# Altium PCB WX0.000.863拼板.PcbDoc (part 6 of 15)
Units mm, origin at the board's own origin, x right, y up, seen from the top; angles counter-clockwise.
Board outline 150.37 x 286.89 mm, 2 copper layers (Top Layer, Bottom Layer); 840 components, 0 nets, 2516 pads, 1604 vias.
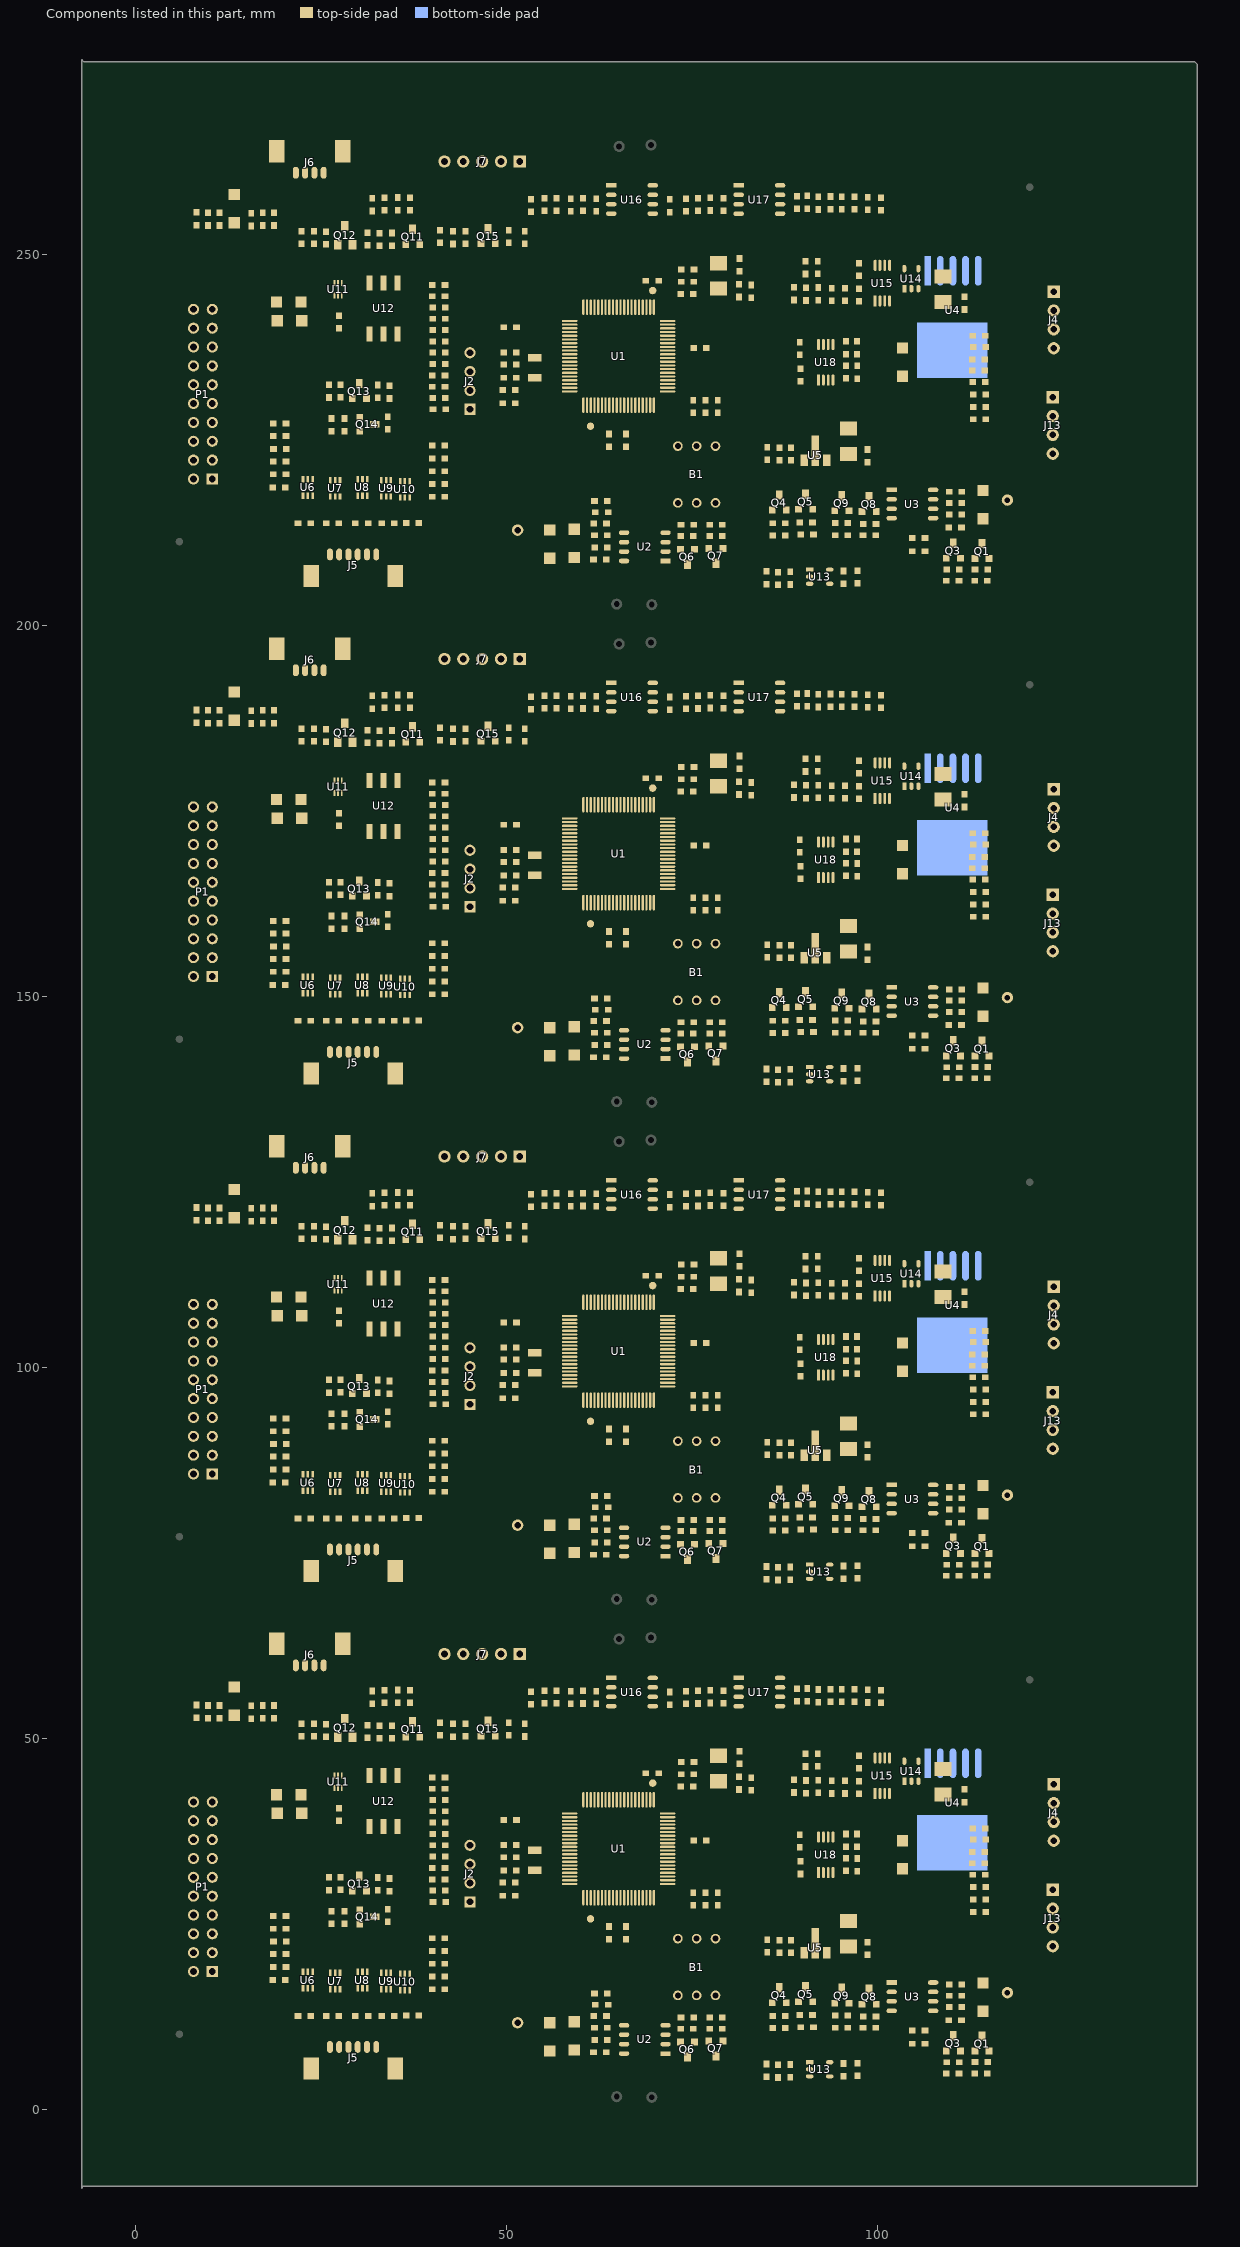
[diagram p6: the components of this part, seen from the top]

## Via types
v1: diameter 0.635, hole 0.381, Top Layer to Bottom Layer, tented both sides, 1604 vias

## Nets (pads, with @x,y where several pads share a name; then routed paths per layer and width w, separated by ;. In a path a pad name is that pad's centre, name@x,y a point inside that pad or via, vN(x,y) a via of type N, cw(c..) or ccw(c..) an arc to the next point about the centre after c; other vN are vias at no path point) (continued)
copper on no net: (continued)
  Top Layer w0.203: v1@62.916,237.973 64.287,236.601 65.176,236.601 65.852,237.277 67.208,237.277 67.696,236.789 67.696,234.799 68.974,233.521 71.725,233.521 ; v1@62.928,48.184 cw(c63.94,48.184) 63.225,48.899 ; v1@62.928,115.24 cw(c63.94,115.24) 63.225,115.955 ; v1@62.928,182.296 cw(c63.94,182.296) 63.225,183.011 ; v1@62.928,249.352 cw(c63.94,249.352) 63.225,250.067 ; 62.986,8.134 ccw(c63.398,8.545) 63.398,7.963 ; 62.986,75.19 ccw(c63.398,75.601) 63.398,75.019 ; 62.986,142.246 ccw(c63.398,142.657) 63.398,142.075 ; 62.986,209.302 ccw(c63.398,209.713) 63.398,209.131 ; 63.369,10.766 cw(c62.871,10.268) 63.576,10.268 cw(c64.281,10.268) 63.782,10.766 ; 63.369,77.822 cw(c62.871,77.324) 63.576,77.324 cw(c64.281,77.324) 63.782,77.822 ; 63.369,144.878 cw(c62.871,144.38) 63.576,144.38 cw(c64.281,144.38) 63.782,144.878 ; 63.369,211.934 cw(c62.871,211.436) 63.576,211.436 cw(c64.281,211.436) 63.782,211.934 ; 63.382,9.528 ccw(c62.913,9.997) 63.576,9.997 ; 63.382,76.584 ccw(c62.913,77.053) 63.576,77.053 ; 63.382,143.64 ccw(c62.913,144.109) 63.576,144.109 ; 63.382,210.696 ccw(c62.913,211.165) 63.576,211.165 ; v1@63.449,43.777 cw(c63.449,43.44) 63.688,43.678 ; v1@63.449,43.917 63.875,43.491 63.875,41.703 ; v1@63.449,110.833 cw(c63.449,110.496) 63.688,110.734 ; v1@63.449,110.973 63.875,110.547 63.875,108.759 ; v1@63.449,177.889 cw(c63.449,177.552) 63.688,177.79 ; v1@63.449,178.029 63.875,177.603 63.875,175.815 ; v1@63.449,244.945 cw(c63.449,244.608) 63.688,244.846 ; v1@63.449,245.085 63.875,244.659 63.875,242.871 ; 63.562,7.734 ccw(c64.143,8.315) 64.143,7.493 ; 63.562,74.79 ccw(c64.143,75.371) 64.143,74.549 ; 63.562,141.846 ccw(c64.143,142.427) 64.143,141.605 ; 63.562,208.902 ccw(c64.143,209.483) 64.143,208.661 ; 63.576,10.057 ccw(c64.324,10.057) 63.795,9.528 ; 63.576,10.973 63.576,9.322 63.754,9.322 64.313,8.763 65.862,8.763 ; 63.576,77.113 ccw(c64.324,77.113) 63.795,76.584 ; 63.576,78.029 63.576,76.378 63.754,76.378 64.313,75.819 65.862,75.819 ; 63.576,144.169 ccw(c64.324,144.169) 63.795,143.64 ; 63.576,145.085 63.576,143.434 63.754,143.434 64.313,142.875 65.862,142.875 ; 63.576,211.225 ccw(c64.324,211.225) 63.795,210.696 ; 63.576,212.141 63.576,210.49 63.754,210.49 64.313,209.931 65.862,209.931 ; 63.596,56.702 ccw(c63.249,56.355) 63.249,56.845 ccw(c63.249,57.336) 63.596,56.989 ; 63.596,123.758 ccw(c63.249,123.411) 63.249,123.901 ccw(c63.249,124.392) 63.596,124.045 ; 63.596,190.814 ccw(c63.249,190.467) 63.249,190.957 ccw(c63.249,191.448) 63.596,191.101 ; 63.596,257.87 ccw(c63.249,257.523) 63.249,258.013 ccw(c63.249,258.504) 63.596,258.157 ; v1(63.627,48.133) 63.8,47.96 75.921,47.96 76.505,47.376 76.505,41.961 ; v1(63.627,115.189) 63.8,115.016 75.921,115.016 76.505,114.432 76.505,109.017 ; v1(63.627,182.245) 63.8,182.072 75.921,182.072 76.505,181.488 76.505,176.073 ; v1(63.627,249.301) 63.8,249.128 75.921,249.128 76.505,248.544 76.505,243.129 ; 63.639,9.03 cw(c63.639,8.047) 64.334,8.742 ; 63.639,9.233 cw(c63.639,8.741) 63.987,9.089 ; 63.639,76.086 cw(c63.639,75.103) 64.334,75.798 ; 63.639,76.289 cw(c63.639,75.797) 63.987,76.145 ; 63.639,143.142 cw(c63.639,142.159) 64.334,142.854 ; 63.639,143.345 cw(c63.639,142.853) 63.987,143.201 ; 63.639,210.198 cw(c63.639,209.215) 64.334,209.91 ; 63.639,210.401 cw(c63.639,209.909) 63.987,210.257 ; v1@63.665,43.981 ccw(c64.255,43.947) 63.837,43.529 ; v1@63.665,111.037 ccw(c64.255,111.003) 63.837,110.585 ; v1@63.665,178.093 ccw(c64.255,178.059) 63.837,177.641 ; v1@63.665,245.149 ccw(c64.255,245.115) 63.837,244.697 ; 63.706,7.877 ccw(c64.634,8.805) 64.634,7.493 ; 63.706,74.933 ccw(c64.634,75.861) 64.634,74.549 ; 63.706,141.989 ccw(c64.634,142.917) 64.634,141.605 ; 63.706,209.045 ccw(c64.634,209.973) 64.634,208.661 ; 63.931,9.322 ccw(c64.359,9.322) 64.056,9.019 ; 63.931,76.378 ccw(c64.359,76.378) 64.056,76.075 ; 63.931,143.434 ccw(c64.359,143.434) 64.056,143.131 ; 63.931,210.49 ccw(c64.359,210.49) 64.056,210.187 ; 64.135,55.575 64.897,55.575 ; 64.135,56.845 62.611,56.845 ; 64.135,122.631 64.897,122.631 ; 64.135,123.901 62.611,123.901 ; 64.135,189.687 64.897,189.687 ; 64.135,190.957 62.611,190.957 ; 64.135,256.743 64.897,256.743 ; 64.135,258.013 62.611,258.013 ; 64.53,55.575 ccw(c64.629,56.194) 65.073,55.751 ; 64.53,122.631 ccw(c64.629,123.25) 65.073,122.807 ; 64.53,189.687 ccw(c64.629,190.306) 65.073,189.863 ; 64.53,256.743 ccw(c64.629,257.362) 65.073,256.919 ; 64.562,55.776 ccw(c64.707,56.679) 65.354,56.032 ; 64.562,122.832 ccw(c64.707,123.735) 65.354,123.088 ; 64.562,189.888 ccw(c64.707,190.791) 65.354,190.144 ; 64.562,256.944 ccw(c64.707,257.847) 65.354,257.2 ; 64.702,55.467 cw(c64.897,55.346) 64.897,55.575 ; 64.702,55.683 ccw(c64.897,55.805) 64.897,55.575 ; 64.702,122.523 cw(c64.897,122.402) 64.897,122.631 ; 64.702,122.739 ccw(c64.897,122.861) 64.897,122.631 ; 64.702,189.579 cw(c64.897,189.458) 64.897,189.687 ; 64.702,189.795 ccw(c64.897,189.917) 64.897,189.687 ; 64.702,256.635 cw(c64.897,256.514) 64.897,256.743 ; 64.702,256.851 ccw(c64.897,256.973) 64.897,256.743 ; 64.841,27.569 cw(c64.637,27.365) 64.925,27.365 ; 64.841,94.625 cw(c64.637,94.421) 64.925,94.421 ; 64.841,161.681 cw(c64.637,161.477) 64.925,161.477 ; 64.841,228.737 cw(c64.637,228.533) 64.925,228.533 ; 64.875,28.503 64.925,28.453 64.925,26.806 65.196,26.535 65.196,22.558 64.533,21.895 62.967,21.895 61.717,23.144 46.101,23.144 ; 64.875,95.559 64.925,95.509 64.925,93.862 65.196,93.591 65.196,89.614 64.533,88.951 62.967,88.951 61.717,90.2 46.101,90.2 ; 64.875,162.615 64.925,162.565 64.925,160.918 65.196,160.647 65.196,156.67 64.533,156.007 62.967,156.007 61.717,157.256 46.101,157.256 ; 64.875,229.671 64.925,229.621 64.925,227.974 65.196,227.703 65.196,223.726 64.533,223.063 62.967,223.063 61.717,224.312 46.101,224.312 ; 65.323,7.349 ccw(c64.976,7.002) 64.976,7.493 ccw(c64.976,7.984) 65.323,7.637 ; 65.323,8.619 ccw(c64.976,8.272) 64.976,8.763 ccw(c64.976,9.254) 65.323,8.907 ; 65.323,74.405 ccw(c64.976,74.058) 64.976,74.549 ccw(c64.976,75.04) 65.323,74.693 ; 65.323,75.675 ccw(c64.976,75.328) 64.976,75.819 ccw(c64.976,76.31) 65.323,75.963 ; 65.323,141.461 ccw(c64.976,141.114) 64.976,141.605 ccw(c64.976,142.096) 65.323,141.749 ; 65.323,142.731 ccw(c64.976,142.384) 64.976,142.875 ccw(c64.976,143.366) 65.323,143.019 ; 65.323,208.517 ccw(c64.976,208.17) 64.976,208.661 ccw(c64.976,209.152) 65.323,208.805 ; 65.323,209.787 ccw(c64.976,209.44) 64.976,209.931 ccw(c64.976,210.422) 65.323,210.075 ; 65.949,22.62 cw(c65.728,22.301) 66.116,22.301 ; 65.949,89.676 cw(c65.728,89.357) 66.116,89.357 ; 65.949,156.732 cw(c65.728,156.413) 66.116,156.413 ; 65.949,223.788 cw(c65.728,223.469) 66.116,223.469 ; 66.116,22.911 66.116,22.301 ; 66.116,89.967 66.116,89.357 ; 66.116,157.023 66.116,156.413 ; 66.116,224.079 66.116,223.469 ; 66.283,22.62 ccw(c66.505,22.301) 66.116,22.301 ; 66.283,89.676 ccw(c66.505,89.357) 66.116,89.357 ; 66.283,156.732 ccw(c66.505,156.413) 66.116,156.413 ; 66.283,223.788 ccw(c66.505,223.469) 66.116,223.469 ; 66.841,27.569 cw(c66.637,27.365) 66.925,27.365 ; 66.841,94.625 cw(c66.637,94.421) 66.925,94.421 ; 66.841,161.681 cw(c66.637,161.477) 66.925,161.477 ; 66.841,228.737 cw(c66.637,228.533) 66.925,228.533 ; 66.925,28.499 66.925,22.458 65.56,21.092 62.634,21.092 61.384,22.342 46.914,22.342 ; 66.925,95.555 66.925,89.514 65.56,88.148 62.634,88.148 61.384,89.398 46.914,89.398 ; 66.925,162.611 66.925,156.57 65.56,155.204 62.634,155.204 61.384,156.454 46.914,156.454 ; 66.925,229.667 66.925,223.626 65.56,222.26 62.634,222.26 61.384,223.51 46.914,223.51 ; 67.327,27.369 cw(c67.609,27.369) 67.409,27.569 ; 67.327,94.425 cw(c67.609,94.425) 67.409,94.625 ; 67.327,161.481 cw(c67.609,161.481) 67.409,161.681 ; 67.327,228.537 cw(c67.609,228.537) 67.409,228.737 ; 67.425,28.453 67.375,28.503 67.327,28.454 67.327,22.174 65.843,20.691 62.468,20.691 61.218,21.941 47.6,21.941 ; 67.425,95.509 67.375,95.559 67.327,95.51 67.327,89.23 65.843,87.747 62.468,87.747 61.218,88.997 47.6,88.997 ; 67.425,162.565 67.375,162.615 67.327,162.566 67.327,156.286 65.843,154.803 62.468,154.803 61.218,156.053 47.6,156.053 ; 67.425,229.621 67.375,229.671 67.327,229.622 67.327,223.342 65.843,221.859 62.468,221.859 61.218,223.109 47.6,223.109 ; 67.841,27.569 cw(c67.637,27.365) 67.925,27.365 ; 67.841,94.625 cw(c67.637,94.421) 67.925,94.421 ; 67.841,161.681 cw(c67.637,161.477) 67.925,161.477 ; 67.841,228.737 cw(c67.637,228.533) 67.925,228.533 ; 67.925,28.219 67.925,22.123 66.092,20.29 62.302,20.29 61.052,21.539 48.158,21.539 ; 67.925,95.275 67.925,89.179 66.092,87.346 62.302,87.346 61.052,88.595 48.158,88.595 ; 67.925,162.331 67.925,156.235 66.092,154.402 62.302,154.402 61.052,155.651 48.158,155.651 ; 67.925,229.387 67.925,223.291 66.092,221.458 62.302,221.458 61.052,222.707 48.158,222.707 ; 68.341,27.569 cw(c68.137,27.365) 68.425,27.365 ; 68.341,94.625 cw(c68.137,94.421) 68.425,94.421 ; 68.341,161.681 cw(c68.137,161.477) 68.425,161.477 ; 68.341,228.737 cw(c68.137,228.533) 68.425,228.533 ; 68.425,28.169 68.425,22.073 68.327,21.974 68.327,21.957 66.258,19.888 62.135,19.888 60.967,21.057 48.285,21.057 ; 68.425,95.225 68.425,89.129 68.327,89.03 68.327,89.013 66.258,86.944 62.135,86.944 60.967,88.113 48.285,88.113 ; 68.425,162.281 68.425,156.185 68.327,156.086 68.327,156.069 66.258,154 62.135,154 60.967,155.169 48.285,155.169 ; 68.425,229.337 68.425,223.241 68.327,223.142 68.327,223.125 66.258,221.056 62.135,221.056 60.967,222.225 48.285,222.225 ; 69.184,55.432 ccw(c68.837,55.085) 68.837,55.575 ccw(c68.837,56.066) 69.184,55.719 ; 69.184,122.488 ccw(c68.837,122.141) 68.837,122.631 ccw(c68.837,123.122) 69.184,122.775 ; 69.184,189.544 ccw(c68.837,189.197) 68.837,189.687 ccw(c68.837,190.178) 69.184,189.831 ; 69.184,256.6 ccw(c68.837,256.253) 68.837,256.743 ccw(c68.837,257.234) 69.184,256.887 ; 69.723,56.845 69.919,56.845 ; 69.723,123.901 69.919,123.901 ; 69.723,190.957 69.919,190.957 ; 69.723,258.013 69.919,258.013 ; 70.118,55.372 cw(c70.118,55.1) 70.311,55.292 ; 70.118,122.428 cw(c70.118,122.156) 70.311,122.348 ; 70.118,189.484 cw(c70.118,189.212) 70.311,189.404 ; 70.118,256.54 cw(c70.118,256.268) 70.311,256.46 ; 70.321,55.575 ccw(c71.03,55.575) 70.529,55.074 ; 70.321,122.631 ccw(c71.03,122.631) 70.529,122.13 ; 70.321,189.687 ccw(c71.03,189.687) 70.529,189.186 ; 70.321,256.743 ccw(c71.03,256.743) 70.529,256.242 ; 71.725,38.853 73.685,38.853 74.016,38.523 74.016,37.592 75.26,36.347 75.26,36.195 ; 71.725,105.909 73.685,105.909 74.016,105.579 74.016,104.648 75.26,103.403 75.26,103.251 ; 71.725,172.965 73.685,172.965 74.016,172.635 74.016,171.704 75.26,170.459 75.26,170.307 ; 71.725,240.021 73.685,240.021 74.016,239.691 74.016,238.76 75.26,237.515 75.26,237.363 ; 71.971,56.261 72.009,56.223 72.58,56.223 ; 71.971,123.317 72.009,123.279 72.58,123.279 ; 71.971,190.373 72.009,190.335 72.58,190.335 ; 71.971,257.429 72.009,257.391 72.58,257.391 ; 72.246,56.052 cw(c72.58,55.81) 72.58,56.223 ; 72.246,56.394 ccw(c72.58,56.635) 72.58,56.223 ; 72.246,123.108 cw(c72.58,122.866) 72.58,123.279 ; 72.246,123.45 ccw(c72.58,123.691) 72.58,123.279 ; 72.246,190.164 cw(c72.58,189.922) 72.58,190.335 ; 72.246,190.506 ccw(c72.58,190.747) 72.58,190.335 ; 72.246,257.22 cw(c72.58,256.978) 72.58,257.391 ; 72.246,257.562 ccw(c72.58,257.803) 72.58,257.391 ; 73.608,55.752 cw(c74.193,55.166) 74.193,55.994 ; 73.608,122.808 cw(c74.193,122.222) 74.193,123.05 ; 73.608,189.864 cw(c74.193,189.278) 74.193,190.106 ; 73.608,256.92 cw(c74.193,256.334) 74.193,257.162 ; 73.731,55.874 ccw(c73.319,56.286) 73.901,56.286 ; 73.731,122.93 ccw(c73.319,123.342) 73.901,123.342 ; 73.731,189.986 ccw(c73.319,190.398) 73.901,190.398 ; 73.731,257.042 ccw(c73.319,257.454) 73.901,257.454 ; 74.193,54.635 75.806,54.635 75.844,54.674 77.47,54.674 ; 74.193,121.691 75.806,121.691 75.844,121.73 77.47,121.73 ; 74.193,188.747 75.806,188.747 75.844,188.786 77.47,188.786 ; 74.193,255.803 75.806,255.803 75.844,255.842 77.47,255.842 ; 74.4,54.429 cw(c74.899,53.93) 74.899,54.635 cw(c74.899,55.341) 74.4,54.842 ; 74.4,56.131 cw(c74.899,55.632) 74.899,56.337 cw(c74.899,57.042) 74.4,56.544 ; 74.4,121.485 cw(c74.899,120.986) 74.899,121.691 cw(c74.899,122.397) 74.4,121.898 ; 74.4,123.187 cw(c74.899,122.688) 74.899,123.393 cw(c74.899,124.098) 74.4,123.6 ; 74.4,188.541 cw(c74.899,188.042) 74.899,188.747 cw(c74.899,189.453) 74.4,188.954 ; 74.4,190.243 cw(c74.899,189.744) 74.899,190.449 cw(c74.899,191.154) 74.4,190.656 ; 74.4,255.597 cw(c74.899,255.098) 74.899,255.803 cw(c74.899,256.509) 74.4,256.01 ; 74.4,257.299 cw(c74.899,256.8) 74.899,257.505 cw(c74.899,258.21) 74.4,257.712 ; 74.567,37.041 cw(c73.722,36.195) 74.917,36.195 ; 74.567,104.097 cw(c73.722,103.251) 74.917,103.251 ; 74.567,171.153 cw(c73.722,170.307) 74.917,170.307 ; 74.567,238.209 cw(c73.722,237.363) 74.917,237.363 ; 74.914,36.694 cw(c74.415,36.195) 75.12,36.195 ; 74.914,103.75 cw(c74.415,103.251) 75.12,103.251 ; 74.914,170.806 cw(c74.415,170.307) 75.12,170.307 ; 74.914,237.862 cw(c74.415,237.363) 75.12,237.363 ; 75.109,54.635 cw(c75.109,53.888) 75.638,54.416 ; 75.109,56.337 cw(c75.109,55.589) 75.638,56.118 ; 75.109,121.691 cw(c75.109,120.944) 75.638,121.472 ; 75.109,123.393 cw(c75.109,122.645) 75.638,123.174 ; 75.109,188.747 cw(c75.109,188) 75.638,188.528 ; 75.109,190.449 cw(c75.109,189.701) 75.638,190.23 ; 75.109,255.803 cw(c75.109,255.056) 75.638,255.584 ; 75.109,257.505 cw(c75.109,256.757) 75.638,257.286 ; 75.127,43.225 cw(c74.735,42.465) v1@75.59,42.465 ; 75.127,110.281 cw(c74.735,109.521) v1@75.59,109.521 ; 75.127,177.337 cw(c74.735,176.577) v1@75.59,176.577 ; 75.127,244.393 cw(c74.735,243.633) v1@75.59,243.633 ; 75.169,54.635 ccw(c75.169,55.298) 75.638,54.829 ; 75.169,56.337 ccw(c75.169,57) 75.638,56.531 ; 75.169,121.691 ccw(c75.169,122.354) 75.638,121.885 ; 75.169,123.393 ccw(c75.169,124.056) 75.638,123.587 ; 75.169,188.747 ccw(c75.169,189.41) 75.638,188.941 ; 75.169,190.449 ccw(c75.169,191.112) 75.638,190.643 ; 75.169,255.803 ccw(c75.169,256.466) 75.638,255.997 ; 75.169,257.505 ccw(c75.169,258.168) 75.638,257.699 ; 75.209,5.507 75.489,5.507 ; 75.209,43.485 75.59,43.104 v1(75.59,42.52) ; 75.209,72.563 75.489,72.563 ; 75.209,110.541 75.59,110.16 v1(75.59,109.576) ; 75.209,139.619 75.489,139.619 ; 75.209,177.597 75.59,177.216 v1(75.59,176.632) ; 75.209,206.675 75.489,206.675 ; 75.209,244.653 75.59,244.272 v1(75.59,243.688) ; 75.22,43.406 cw(c74.907,42.798) v1@75.59,42.798 ; 75.22,110.462 cw(c74.907,109.854) v1@75.59,109.854 ; 75.22,177.518 cw(c74.907,176.91) v1@75.59,176.91 ; 75.22,244.574 cw(c74.907,243.966) v1@75.59,243.966 ; 75.312,43.586 cw(c75.078,43.131) 75.59,43.131 ; 75.312,110.642 cw(c75.078,110.187) 75.59,110.187 ; 75.312,177.698 cw(c75.078,177.243) 75.59,177.243 ; 75.312,244.754 cw(c75.078,244.299) 75.59,244.299 ; v1@75.438,42.672 ccw(c75.069,43.041) 75.59,43.041 ccw(c76.112,43.041) v1@75.743,42.672 ; v1@75.438,109.728 ccw(c75.069,110.097) 75.59,110.097 ccw(c76.112,110.097) v1@75.743,109.728 ; v1@75.438,176.784 ccw(c75.069,177.153) 75.59,177.153 ccw(c76.112,177.153) v1@75.743,176.784 ; v1@75.438,243.84 ccw(c75.069,244.209) 75.59,244.209 ccw(c76.112,244.209) v1@75.743,243.84 ; v1(76.022,37.922) 77.819,37.922 78.862,36.88 78.862,34.34 79.018,34.184 82.959,34.184 84.643,32.501 84.643,30.515 85.798,29.36 101.393,29.36 106.704,24.049 118.007,24.049 121.509,20.548 121.509,7.596 v1@118.288,4.375 ; v1(76.022,104.978) 77.819,104.978 78.862,103.936 78.862,101.396 79.018,101.24 82.959,101.24 84.643,99.557 84.643,97.571 85.798,96.416 101.393,96.416 106.704,91.105 118.007,91.105 121.509,87.604 121.509,74.652 v1@118.288,71.431 ; v1(76.022,172.034) 77.819,172.034 78.862,170.992 78.862,168.452 79.018,168.296 82.959,168.296 84.643,166.613 84.643,164.627 85.798,163.472 101.393,163.472 106.704,158.161 118.007,158.161 121.509,154.66 121.509,141.708 v1@118.288,138.487 ; v1(76.022,239.09) 77.819,239.09 78.862,238.048 78.862,235.508 79.018,235.352 82.959,235.352 84.643,233.669 84.643,231.683 85.798,230.528 101.393,230.528 106.704,225.217 118.007,225.217 121.509,221.716 121.509,208.764 v1@118.288,205.543 ; 76.051,54.467 cw(c76.55,53.969) 76.55,54.674 cw(c76.55,55.379) 76.051,54.88 ; 76.051,121.523 cw(c76.55,121.025) 76.55,121.73 cw(c76.55,122.435) 76.051,121.936 ; 76.051,188.579 cw(c76.55,188.081) 76.55,188.786 cw(c76.55,189.491) 76.051,188.992 ; 76.051,255.635 cw(c76.55,255.137) 76.55,255.842 cw(c76.55,256.547) 76.051,256.048 ; v1@76.175,37.77 cw(c76.543,37.401) 76.543,37.922 cw(c76.543,38.443) v1@76.175,38.075 ; v1@76.175,104.826 cw(c76.543,104.457) 76.543,104.978 cw(c76.543,105.499) v1@76.175,105.131 ; v1@76.175,171.882 cw(c76.543,171.513) 76.543,172.034 cw(c76.543,172.555) v1@76.175,172.187 ; v1@76.175,238.938 cw(c76.543,238.569) 76.543,239.09 cw(c76.543,239.611) v1@76.175,239.243 ; v1@76.645,41.611 ccw(c76.167,41.623) 76.505,41.961 ; v1@76.645,108.667 ccw(c76.167,108.679) 76.505,109.017 ; v1@76.645,175.723 ccw(c76.167,175.735) 76.505,176.073 ; v1@76.645,242.779 ccw(c76.167,242.791) 76.505,243.129 ; 76.735,54.674 ccw(c76.735,55.421) 77.263,54.893 ; 76.735,121.73 ccw(c76.735,122.477) 77.263,121.949 ; 76.735,188.786 ccw(c76.735,189.533) 77.263,189.005 ; 76.735,255.842 ccw(c76.735,256.589) 77.263,256.061 ; 76.795,54.674 cw(c76.795,54.011) 77.263,54.48 ; 76.795,121.73 cw(c76.795,121.067) 77.263,121.536 ; 76.795,188.786 cw(c76.795,188.123) 77.263,188.592 ; 76.795,255.842 cw(c76.795,255.179) 77.263,255.648 ; v1@76.855,41.821 cw(c76.843,42.299) 76.505,41.961 ; v1@76.855,108.877 cw(c76.843,109.355) 76.505,109.017 ; v1@76.855,175.933 cw(c76.843,176.411) 76.505,176.073 ; v1@76.855,242.989 cw(c76.843,243.467) 76.505,243.129 ; v1(76.86,41.605) 76.505,41.961 ; v1(76.86,108.661) 76.505,109.017 ; v1(76.86,175.717) 76.505,176.073 ; v1(76.86,242.773) 76.505,243.129 ; 76.885,57.024 ccw(c77.47,57.61) 77.47,56.782 ; 76.885,124.08 ccw(c77.47,124.666) 77.47,123.838 ; 76.885,191.136 ccw(c77.47,191.722) 77.47,190.894 ; 76.885,258.192 ccw(c77.47,258.778) 77.47,257.95 ; 77.007,56.902 cw(c76.595,56.49) 77.178,56.49 ; 77.007,123.958 cw(c76.595,123.546) 77.178,123.546 ; 77.007,191.014 cw(c76.595,190.602) 77.178,190.602 ; 77.007,258.07 cw(c76.595,257.658) 77.178,257.658 ; 77.47,54.737 77.597,54.737 79.248,56.388 79.731,56.871 ; 77.47,54.877 ccw(c77.47,55.521) 77.925,55.065 ; 77.47,55.08 ccw(c77.47,56.214) 78.272,55.412 ; 77.47,56.439 76.708,57.201 73.558,57.201 72.58,56.223 ; 77.47,121.793 77.597,121.793 79.248,123.444 79.731,123.927 ; 77.47,121.933 ccw(c77.47,122.577) 77.925,122.121 ; 77.47,122.136 ccw(c77.47,123.27) 78.272,122.468 ; 77.47,123.495 76.708,124.257 73.558,124.257 72.58,123.279 ; 77.47,188.849 77.597,188.849 79.248,190.5 79.731,190.983 ; 77.47,188.989 ccw(c77.47,189.633) 77.925,189.177 ; 77.47,189.192 ccw(c77.47,190.326) 78.272,189.524 ; 77.47,190.551 76.708,191.313 73.558,191.313 72.58,190.335 ; 77.47,255.905 77.597,255.905 79.248,257.556 79.731,258.039 ; 77.47,256.045 ccw(c77.47,256.689) 77.925,256.233 ; 77.47,256.248 ccw(c77.47,257.382) 78.272,256.58 ; 77.47,257.607 76.708,258.369 73.558,258.369 72.58,257.391 ; 77.762,54.788 cw(c78.038,54.788) 77.843,54.983 ; 77.762,121.844 cw(c78.038,121.844) 77.843,122.039 ; 77.762,188.9 cw(c78.038,188.9) 77.843,189.095 ; 77.762,255.956 cw(c78.038,255.956) 77.843,256.151 ; v1@78.41,41.897 cw(c78.41,41.253) 78.865,41.709 ; v1(78.41,42.113) 78.461,42.113 78.9,41.674 84.785,41.674 85.219,41.239 94.63,41.239 94.767,41.377 v1(94.767,41.478) ; v1@78.41,108.953 cw(c78.41,108.309) 78.865,108.765 ; v1(78.41,109.169) 78.461,109.169 78.9,108.73 84.785,108.73 85.219,108.295 94.63,108.295 94.767,108.433 v1(94.767,108.534) ; v1@78.41,176.009 cw(c78.41,175.365) 78.865,175.821 ; v1(78.41,176.225) 78.461,176.225 78.9,175.786 84.785,175.786 85.219,175.351 94.63,175.351 94.767,175.489 v1(94.767,175.59) ; v1@78.41,243.065 cw(c78.41,242.421) 78.865,242.877 ; v1(78.41,243.281) 78.461,243.281 78.9,242.842 84.785,242.842 85.219,242.407 94.63,242.407 94.767,242.545 v1(94.767,242.646) ; v1@78.626,42.113 ccw(c79.024,42.113) 78.742,41.831 ; v1@78.626,109.169 ccw(c79.024,109.169) 78.742,108.887 ; v1@78.626,176.225 ccw(c79.024,176.225) 78.742,175.943 ; v1@78.626,243.281 ccw(c79.024,243.281) 78.742,242.999 ; 78.663,55.803 cw(c79.248,55.217) 